# Altium PCB MDK_UltraZohm_Adapter.PcbDoc (continued)
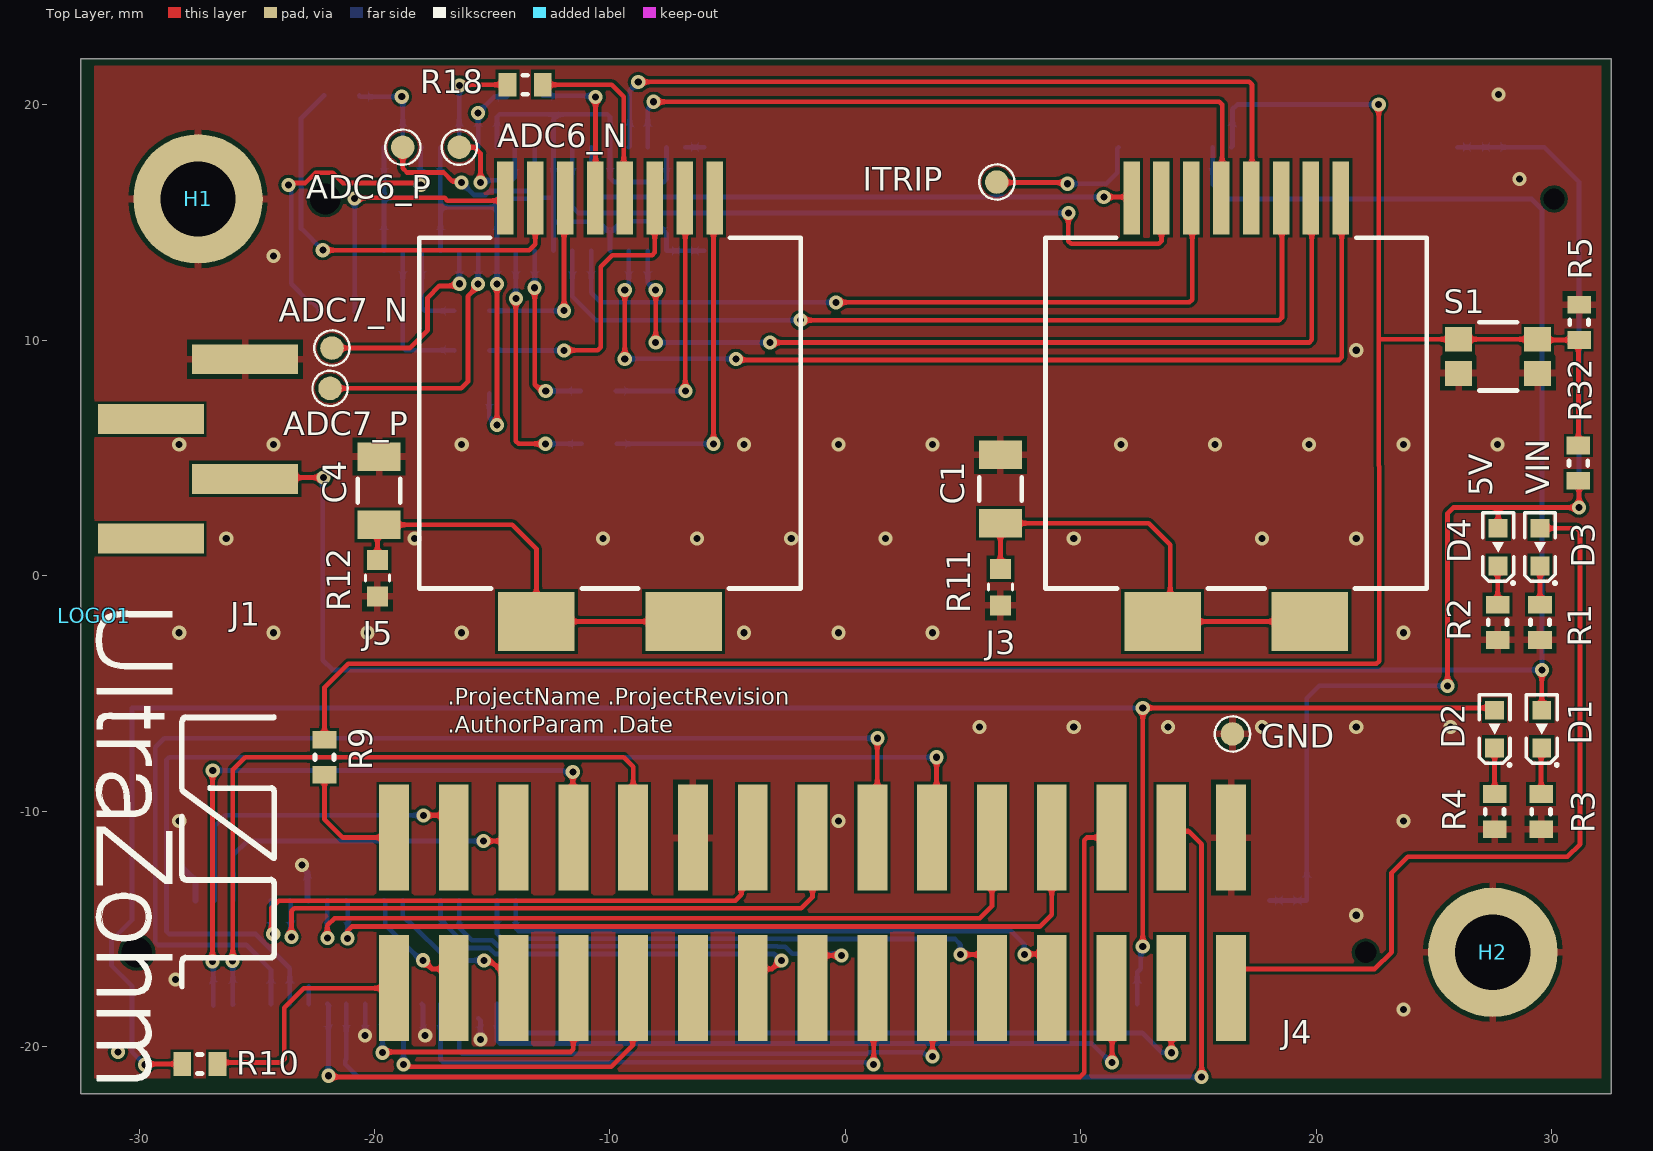
[diagram p0: Top Layer view]
## Footprints (in the part's own frame and the unit in brackets; to place one, negate y for a bottom-side part, rotate by r counter-clockwise, add the part's x,y. Pads: shape width x height; smd on the part's side, far side on the other; paste and mask are expansions set on the pad)
10139085-121422LF [mm]
  rect 2x0.5 smd: 1(2.2,23.6)
  oval 2x0.5 smd: 2(2.2,22.8) 3(2.2,22) 4(2.2,21.2) 5(2.2,20.4) 6(2.2,19.6) 7(2.2,18.8) 8(2.2,18) 9(2.2,17.2) 10(2.2,16.4) 11(2.2,15.6) 12(2.2,14.8) 13(2.2,14) 14(2.2,13.2) 15(2.2,12.4) 16(2.2,11.6) 17(2.2,10.8) 18(2.2,10) 19(2.2,9.2) 20(2.2,8.4) 21(2.2,7.6) 22(2.2,6.8) 23(2.2,6) 24(2.2,5.2) 25(2.2,4.4) 26(2.2,3.6) 27(2.2,2.8) 28(2.2,2) 29(2.2,1.2) 30(2.2,0.4) 31(2.2,-0.4) 32(2.2,-1.2) 33(2.2,-2) 34(2.2,-2.8) 35(2.2,-3.6) 36(2.2,-4.4) 37(2.2,-5.2) 38(2.2,-6) 39(2.2,-6.8) 40(2.2,-7.6) 41(2.2,-8.4) 42(2.2,-9.2) 43(2.2,-10) 44(2.2,-10.8) 45(2.2,-11.6) 46(2.2,-12.4) 47(2.2,-13.2) 48(2.2,-14) 49(2.2,-14.8) 50(2.2,-15.6) 51(2.2,-16.4) 52(2.2,-17.2) 53(2.2,-18) 54(2.2,-18.8) 55(2.2,-19.6) 56(2.2,-20.4) 57(2.2,-21.2) 58(2.2,-22) 59(2.2,-22.8) 60(2.2,-23.6) 61(-2.2,23.6) 62(-2.2,22.8) 63(-2.2,22) 64(-2.2,21.2) 65(-2.2,20.4) 66(-2.2,19.6) 67(-2.2,18.8) 68(-2.2,18) 69(-2.2,17.2) 70(-2.2,16.4) 71(-2.2,15.6) 72(-2.2,14.8) 73(-2.2,14) 74(-2.2,13.2) 75(-2.2,12.4) 76(-2.2,11.6) 77(-2.2,10.8) 78(-2.2,10) 79(-2.2,9.2) 80(-2.2,8.4) 81(-2.2,7.6) 82(-2.2,6.8) 83(-2.2,6) 84(-2.2,5.2) 85(-2.2,4.4) 86(-2.2,3.6) 87(-2.2,2.8) 88(-2.2,2) 89(-2.2,1.2) 90(-2.2,0.4) 91(-2.2,-0.4) 92(-2.2,-1.2) 93(-2.2,-2) 94(-2.2,-2.8) 95(-2.2,-3.6) 96(-2.2,-4.4) 97(-2.2,-5.2) 98(-2.2,-6) 99(-2.2,-6.8) 100(-2.2,-7.6) 101(-2.2,-8.4) 102(-2.2,-9.2) 103(-2.2,-10) 104(-2.2,-10.8) 105(-2.2,-11.6) 106(-2.2,-12.4) 107(-2.2,-13.2) 108(-2.2,-14) 109(-2.2,-14.8) 110(-2.2,-15.6) 111(-2.2,-16.4) 112(-2.2,-17.2) 113(-2.2,-18) 114(-2.2,-18.8) 115(-2.2,-19.6) 116(-2.2,-20.4) 117(-2.2,-21.2) 118(-2.2,-22) 119(-2.2,-22.8) 120(-2.2,-23.6)
  round 0 hole 1.3: ""(0,-26.1)
  round 0 hole 0.9: ""(0,26.1)
  silkscreen extent -3,-26.9 3,26.9, body extent -3,-26.9 3,26.9, height 4.72
434153017835 [mm] "Tact Switch, SMD, body 3.5x2.9mm"
  rect 1.15x1.05 smd: 1(-1.675,0.725) 2(-1.675,-0.725) 3(1.675,0.725) 4(1.675,-0.725)
  silkscreen extent -0.8,-1.45 0.8,1.45, body extent -2.15,-1.45 2.15,1.45, height 1.7
634108185321 [mm] "Modular Jack Vertical Shielded SMT  with Solder Tab 8P8C Top Entry"
  rect 0.7x3.1 smd: 1(-4.445,9.15) 2(-3.175,9.15) 3(-1.905,9.15) 4(-0.635,9.15) 5(0.635,9.15) 6(1.905,9.15) 7(3.175,9.15) 8(4.445,9.15)
  rect 3.25x2.5 smd: Shell(-3.125,-8.85) Shell(3.125,-8.85)
  silkscreen extent -8.1,-7.45 8.1,7.45, body extent -8.16,-9.95 8.16,9.11, height 13.48
C_1206 [mm]
  rect 1.21x1.82 smd: 1(1.45,0) 2(-1.45,0)
  silkscreen extent -0.5,-0.9 0.5,0.9, body extent -1.6,-0.81 1.6,0.81, height 1.82
ID_PROJECTREV [mm] "project name + revision number"
IPL1-104-02-L-S-K [mm]
  rect 1.27x4.5 smd: 1(-3.81,2) 2(-1.27,-2) 3(1.27,2) 4(3.81,-2)
  body extent -5.84,-3.57 5.84,3.75, height 8.13
IPL1-115-02-L-D-K [mm]
  rect 1.27x4.5 smd: 1(-17.78,3.2) 2(-15.24,3.2) 3(-12.7,3.2) 4(-10.16,3.2) 5(-7.62,3.2) 6(-5.08,3.2) 7(-2.54,3.2) 8(0,3.2) 9(2.54,3.2) 10(5.08,3.2) 11(7.62,3.2) 12(10.16,3.2) 13(12.7,3.2) 14(15.24,3.2) 15(17.78,3.2) 16(-17.78,-3.2) 17(-15.24,-3.2) 18(-12.7,-3.2) 19(-10.16,-3.2) 20(-7.62,-3.2) 21(-5.08,-3.2) 22(-2.54,-3.2) 23(0,-3.2) 24(2.54,-3.2) 25(5.08,-3.2) 26(7.62,-3.2) 27(10.16,-3.2) 28(12.7,-3.2) 29(15.24,-3.2) 30(17.78,-3.2)
  body extent -19.81,-4.79 19.81,4.79, height 8.13
MHole3_2mm_No_Screw [mm]
  round 5.5 hole 3.2: 1(0,0)
RESC0603 [mm] "Chip Resistor, 2-Leads, Body 1,60x0,85mm, IPC Medium Density"
  rect 0.75x1 smd: 1(-0.75,0) 2(0.75,0)
  silkscreen extent -0.1,-0.4 0.1,0.4, body extent -0.85,-0.48 0.85,0.48, height 0.55
RESC1608X06N [mm] "Chip Resistor, 2-Leads, Body 1,60x0,80mm, IPC Medium Density"
  rect 0.85x0.9 smd: 1(-0.775,0) 2(0.775,0)
  silkscreen extent -0.13,-0.51 0.13,0.51, body extent -0.8,-0.4 0.8,0.4, height 0.44
TP_1mm [mm]
  round 1 smd paste-1: 1(0,0)
  silkscreen extent -0.75,-0.75 0.75,0.75
UZ_Logo_tiny [mm] "logo width 2cm"
  silkscreen extent -0.2,0.06 19.75,7.74
WL-SMCW_0603 [mm] "SMD Mono-color Chip LED, body 1.6x0.8mm"
  rect 0.8x0.8 smd: 1(-0.8,0) 2(0.8,0)
  silkscreen extent -1.59,-0.7 1.45,0.65, body extent -0.8,-0.4 0.8,0.4, height 0.7

## Part data
ADC6_N ADC6_P ADC7_N ADC7_P GND ITRIP: library part TP_1mm, "Testpoint 1mm", Created=2018_06_25_AGeiger
C1 C4: "Capacitor 1206", Dielectric=C0G, MPN=885342008009, Package=1206, Supplier Part Number 1=710-885342008009, Tolerance=5%, Voltage=1000V, Created=2018_06_25_AGeiger, MF="Würth Elektronik", Supplier 1=Mouser
D1 D2 D3 D4: library part LED_Red_0603, "WL-SMCW SMD Mono-color Chip LED Waterclear, size 0603, Red, 2 V, 140°", Emitting Color=Red, Forward Voltage="2 V", Package=0603, Supplier Part Number 1=2322071, ComponentLink1Description=Manufacturer, ComponentLink1URL=http://www.we-online.de, ComponentLink2Description=Datasheet, ComponentLink2URL=http://katalog.we-online.com/led/datasheet/150060RS75000.pdf, Created=2018_09_06_AGeiger, Dominant Wavelength="625 nm", Luminous Intensity="250 mcd", MF="Wuerth Elektronik", MPN=150060RS75000, Peak Wavelength="630 nm", Published Date="Sep. 2017", Size=0603, Supplier 1=Farnell, Supplier 2=Mouser, Supplier 3=Digi-Key, Supplier Part Number 2=710-150060RS75000, Supplier Part Number 3=732-4978-1-ND, Viewing Angle=140°
H1 H2: library part MHole, AN=22898, Mixed=THT
J3 J5: "WR-MJ Modular Jack SMT Vertical Shielded with Solder Tab 8P8C Top Entry", Contact Resistance=30mOhm, Insulation Resistance=1000MOhm, Manufacturer="Wurth Elektronik", Operating Temperature="-40 to +85degC", Rated Current=1.5A, Withstanding Voltage=1000VAC, Working Voltage=125VAC, ComponentLink1Description=Manufacturer, ComponentLink1URL=http://www.we-online.de, ComponentLink2Description=Datasheet, ComponentLink2URL=https://katalog.we-online.com/em/datasheet/634108185321.pdf, Manufacturer Part Number=634108185321, Mounting Technology=SMT, Packaging="Tape and Reel", Published Date="September 2020", Type=Vertical, xPxC=8P8C
J4: library part IPL1-115-01-XX-D-RA, "Terminal Assembly, Double Row, Right Angle, Thru-Hole, 0.100\" x 0.100\" Pitch, 30 Pins.", MPN=IPL1-115-01-L-D-RA-K, Supplier Part Number 1=SAM9611-ND, ComponentLink1Description=Datasheet, ComponentLink1URL=http://suddendocs.samtec.com/catalog_english/ipl1.pdf, Created=2019-12-17_Wendy_Xin, HelpURL=https://www.samtec.com/products/ipl1, MF=SAMTEC, Package=IPL1-115-02-L-D-K, Supplier 1=Digi-Key, Supplier 2=Farnell, Supplier 3=Mouser, Supplier Part Number 2=2018467, Supplier Part Number 3=200-IPL111501LDRAK
JP1 JP2: "Bergstack+ 0.8mm pich - 120pin B2B connector", ComponentLink1Description=Webpage, ComponentLink1URL=https://www.amphenol-icc.com/product-series/bergstak-plus-080mm-mezzanine.html, ComponentLink2Description=Datasheet, ComponentLink2URL=https://cdn.amphenol-icc.com/media/wysiwyg/files/documentation/datasheet/boardwiretoboard/bwb_bergstakplus_080mm_mezzanine.pdf, ComponentLink3Description="Component Drawing", ComponentLink3URL=https://cdn.amphenol-icc.com/media/wysiwyg/files/drawing/10139085.pdf, Part Number=10139085-121422LF, Publisher="Amphenol ICC"
LOGO1: "UltraZohm Logo on PCB", Created=Jan2021_Liegmann
ProjectName1: "Project Name and Revision Number", Created=2018_11_23_AGeiger
R1 R2 R3 R4 R5 R9 R10 R14 R15 R16 R17 R18 R19 R20 R21 R32: library part RES_SMD, "RES SMD", Part Number="Generic 1% tol.", Publisher=Generic
R11 R12 R22: library part R_0603, MPN=CRCW06031M00FKEAC, Package=0603, Supplier Part Number 1=71-CRCW06031M00FKEAC, Tolerance=1%, MF="Vishay / Dale", Supplier 1=mouser
S1: "WS-TASV J-Bend SMT Tact Switch 3.5x2.9mm, height 1.7mm, 350gf", Operating Temperature="-40 to +85degC", Rated Current=50mA, Rated Voltage=12VDC, ComponentLink1Description=Manufacturer, ComponentLink1URL=http://www.we-online.de, ComponentLink2Description=Datasheet, ComponentLink2URL=https://katalog.we-online.com/em/datasheet/434153017835.pdf, Contact Material="Stainless Steel", Contact Plating=Silver, Height=1.7mm, Mounting Technology=SMT, Operation Force=350gf, Packaging="Tape and Reel", Part Number=434153017835, Published Date="September 2019", Publisher="Wurth Elektronik", Terminal Material="Copper Alloy", Terminal Plating=Silver, Washable=No
J1: URL=https://www.samtec.com/products/ipl1-104-02-l-s-k#models

## Via types
v1: diameter 0.6, hole 0.3, Top Layer to Bottom Layer, tented both sides, 118 vias

## Nets (pads, with @x,y where several pads share a name; then routed paths per layer and width w, separated by ;. In a path a pad name is that pad's centre, name@x,y a point inside that pad or via, vN(x,y) a via of type N, cw(c..) or ccw(c..) an arc to the next point about the centre after c; other vN are vias at no path point)
5V0: D4.2 JP1.1 JP1.2 JP1.3 JP2.1 JP2.2 JP2.3 R32.2 | length 51
  Top Layer w0.2: v1(25.579,-4.683) 25.579,2.646 25.826,2.893 27.726,2.893 ; D4.2 27.726,2.893 ; R32.2 31.164,3.999 v1(31.164,2.893) 27.726,2.893
  Bottom Layer w0.2: JP2.3 JP2.2 JP2.1 19.6,-5.209 20.126,-4.683 v1(25.579,-4.683) ; JP1.3 JP1.2 JP1.1 29.681,18.2 31.164,16.717 v1(31.164,2.893)
5V0_VAA: JP1.43 JP1.44 | length 0.8
  Bottom Layer w0.2: JP1.44 JP1.43
15V: J4.10
ADC1_N: J3.8 JP1.107 | length 42
  Top Layer w0.2: v1(-9.372,9.208) v1(-9.372,12.135) ; v1(-4.654,9.208) -4.606,9.16 20.965,9.16 21.082,9.277 J3.8@21.082,16.084
  Bottom Layer w0.2: v1(-9.372,9.208) v1(-4.654,9.208) ; v1(-9.372,12.135) -9.417,12.179 -9.417,12.183 -9.2,12.4 JP1.107
ADC1_P: J3.7 JP1.106 | length 38
  Top Layer w0.2: v1(-8.059,9.9) v1(-8.059,12.135) ; v1(-3.2,9.9) 19.695,9.9 19.812,10.017 J3.7@19.812,16.084
  Bottom Layer w0.2: JP1.106 -8.4,12.452 -8.083,12.135 v1(-8.059,12.135) ; v1(-8.059,9.9) v1(-3.2,9.9)
ADC2_N: J3.5 JP1.47 | length 33.8
  Top Layer w0.2: v1(-8.8,20.964) -8.791,20.974 17.155,20.974 17.272,20.857 J3.5@17.272,16.084
  Bottom Layer w0.2: JP1.47 -9.158,18.242 -9.158,20.616 -8.809,20.964 v1(-8.8,20.964)
ADC2_P: J3.4 JP1.46 | length 30.2
  Top Layer w0.2: v1(-8.145,20.129) 15.885,20.129 16.002,20.012 16.002,16.569 J3.4@16.002,16.084
  Bottom Layer w0.2: JP1.46 -8.4,19.812 -8.145,20.067 v1(-8.145,20.129)
ADC3_N: J3.6 JP1.110 | length 37.9
  Top Layer w0.2: v1@-1.7,10.871 -1.9,10.871 -1.881,10.852 -1.7,10.852 18.425,10.852 18.542,10.969 J3.6@18.542,16.084
  Bottom Layer w0.2: JP1.110 -11.6,11.857 -10.595,10.852 v1(-1.9,10.852)
ADC3_P: J3.3 JP1.109 | length 31.9
  Top Layer w0.2: v1@-0.4,11.633 -0.375,11.608 14.615,11.608 14.732,11.725 J3.3@14.732,16.084
  Bottom Layer w0.2: JP1.109 -10.8,12.021 -10.387,11.608 v1(-0.4,11.608)
ADC4_N: J3.2 JP1.50 | length 31.5
  Top Layer w0.2: v1(9.472,15.4) 9.472,14.21 9.589,14.093 13.31,14.093 13.427,14.21 13.427,16.048 J3.2
  Bottom Layer w0.2: JP1.50@-11.6,18.869 -11.6,15.662 -11.342,15.404 9.468,15.404 v1(9.472,15.4)
ADC4_P: J3.1 JP1.49 | length 25
  Top Layer w0.2: v1(10.976,16.084) 12.121,16.084 J3.1
  Bottom Layer w0.2: JP1.49 -10.8,16.201 -10.683,16.084 v1(10.976,16.084)
ADC5_N: JP1.113 R21.1 | length 11.1
  Top Layer w0.2: v1(-14,11.776) -14,5.717 -13.883,5.6 -12.972,5.6 v1(-12.747,5.6)
  Bottom Layer w0.2: v1@-14,11.576 v1(-14,11.776) JP1.113 ; v1(-12.747,5.6) R21.1
ADC5_P: JP1.112 R20.1 | length 8
  Top Layer w0.2: v1(-13.2,12.228) -13.2,8.118 -12.928,7.846 v1(-12.729,7.846)
  Bottom Layer w0.2: v1@-13.2,11.971 JP1.112 ; v1(-12.729,7.846) R20.1
ADC6_N: ADC6_N.1 JP1.53 | length 5.1
  Top Layer w0.2: ADC6_N.1 -15.761,18.2 -15.492,17.931 -15.5,17.923 v1(-15.5,16.7)
  Bottom Layer w0.2: v1@-15.51,16.795 -14.164,16.795 -14.046,16.912 -14.046,18.154 JP1.53
ADC6_P: ADC6_P.1 JP1.52 | length 8.8
  Top Layer w0.2: ADC6_P.1 -18.8,17.302 -18.623,17.125 -17.069,17.125 -16.701,16.756 -16.365,16.756 v1(-16.308,16.7)
  Bottom Layer w0.2: v1(-16.308,16.7) -15.781,16.173 -15.282,16.173 -15.115,16.339 -13.317,16.339 -13.2,16.457 JP1.52
ADC7_N: ADC7_N.1 JP1.116 | length 8.7
  Top Layer w0.2: ADC7_N.1 -18.506,9.669 -17.75,10.424 -17.75,11.804 -17.247,12.308 -16.492,12.308 v1(-16.4,12.4)
  Bottom Layer w0.2: v1(-16.4,12.4) JP1.116
ADC7_P: ADC7_P.1 JP1.115 | length 11.7
  Top Layer w0.2: ADC7_P.1 -16.321,7.954 -16.035,8.241 -16.035,11.867 -15.6,12.302 v1(-15.6,12.395)
  Bottom Layer w0.2: v1(-15.6,12.395) JP1.115
ADC8_N: JP1.56 R18.1 | length 4.7
  Top Layer w0.2: v1(-16.4,20.828) -16.374,20.854 R18.1
  Bottom Layer w0.2: JP1.56 v1(-16.4,20.828)
ADC8_P: JP1.55 R17.1 | length 3
  Bottom Layer w0.2: JP1.55 -15.6,19.659 -14.924,20.336 -14.396,20.336 R17.1
  other v1: -15.6,19.647
ADC9_N: JP1.119 R19.1 | length 6.3
  Bottom Layer w0.2: JP1.119 -18.8,9.696 -18.683,9.579 -16.634,9.579 R19.1
ADC9_P: JP1.118 R16.1 | length 3.9
  Bottom Layer w0.2: JP1.118 -18,11.375 -17.874,11.249 R16.1
ADC10_N: JP1.59 R15.1 | length 3.7
  Bottom Layer w0.2: R15.1 -20.602,20.345 v1(-18.847,20.345) ; JP1.59 v1@-18.8,20.088
ADC10_P: JP1.58 R14.1 | length 13.6
  Top Layer w0.2: v1(-23.65,16.6) -23.573,16.677 -23.335,16.677 -23.333,16.679 -22.942,16.679 -22.508,17.114 -21.781,17.114 -21.347,16.679 -18.119,16.679 -18.06,16.62 v1(-18.038,16.598)
  Bottom Layer w0.2: v1(-23.65,16.6) -23.54,16.49 -23.54,16.284 -23.539,16.283 -23.539,12.396 -22.765,11.623 -22.64,11.623 -22.365,11.348 R14.1 ; v1(-18.038,16.598) -18.038,18.162 JP1.58
AGND: JP1.45 JP1.48 JP1.51 JP1.54 JP1.57 JP1.60 JP1.103 JP1.104 JP1.105 JP1.108 JP1.111 JP1.114 JP1.117 JP1.120 R22.2 | length 54.2
  Top Layer w0.2: v1(-14.8,6.4) v1(-14.8,12.395)
  Bottom Layer w0.2: JP1.120 -19.6,16.05 ; JP1.60 -19.6,16.05 ; JP1.117 -17.2,15.654 ; JP1.57 -17.214,18.186 -17.214,16.064 -17.2,16.05 ; R22.2 -15.133,6.733 v1(-14.8,6.4) ; v1@-14.8,12.443 JP1.114 -14.8,15.654 ; JP1.54 -14.8,19.486 -14.683,19.603 -12.181,19.603 ; JP1.111 -12.4,14.905 ; JP1.108 JP1.108@-10,14.55 ; JP1.45 -7.6,16.837 -7.717,16.72 -9.814,16.72 -10,16.906 JP1.48 -10,19.486 -10.117,19.603 -12.181,19.603 ; JP1.103 JP1.104 JP1.105 -7.6,14.55 -8.102,15.052 -9.498,15.052 JP1.108@-10,14.55 ; -19.6,16.05 -17.2,16.05 ; -17.2,15.654 -14.8,15.654 ; -17.2,15.654 -17.2,16.05 ; -14.8,15.654 -14.8,16.012 -13.065,16.012 -13.027,16.05 -12.443,16.05 -12.4,16.007 ; -12.4,14.905 -12.4,16.007 ; -12.4,14.905 -12.278,15.027 -10.477,15.027 JP1.108@-10,14.55 ; -12.4,16.007 JP1.51 -12.4,19.384 -12.181,19.603
B13_L1_N: JP2.79
B13_L1_P: JP2.78
B13_L2_N: JP2.96
B13_L2_P: JP2.95
B13_L3_N: JP2.91
B13_L3_P: JP2.90
B13_L4_N: JP2.89
B13_L4_P: JP2.88
B13_L5_N: JP2.74
B13_L5_P: JP2.73
B13_L6_N: JP2.76
B13_L6_P: JP2.75
B13_L7_N: JP2.14
B13_L7_P: JP2.13
B13_L8_N: JP2.16
B13_L8_P: JP2.15
B13_L9_N: JP2.21
B13_L9_P: JP2.20
B13_L10_N: JP2.94
B13_L10_P: JP2.93
B13_L11_N: JP2.19
B13_L11_P: JP2.18
B13_L12_N: JP2.81
B13_L12_P: JP2.80
B13_L13_N: JP2.86
B13_L13_P: JP2.85
B13_L14_N: JP2.84
B13_L14_P: JP2.83
B13_L15_N: JP2.34
B13_L15_P: JP2.33
B13_L16_N: JP2.29
B13_L16_P: JP2.28
B13_L17_N: JP2.26
B13_L17_P: JP2.25
B13_L18_N: JP2.31
B13_L18_P: JP2.30
B13_L19_N: JP2.39
B13_L19_P: JP2.38
B13_L20_N: JP2.24
B13_L20_P: JP2.23
B13_L21_N: JP2.36
B13_L21_P: JP2.35
B13_L22_N: JP2.41
B13_L22_P: JP2.40
B13_L23_N: JP2.99
B13_L23_P: JP2.98
B13_L24_N: JP2.101
B13_L24_P: JP2.100
B35_L1_N: JP1.100
B35_L1_P: JP1.101
B35_L2_N: JP1.80
B35_L2_P: JP1.81
B35_L3_N: JP1.95
B35_L3_P: JP1.96
B35_L4_N: JP1.33
B35_L4_P: JP1.34
B35_L5_N: JP1.93
B35_L5_P: JP1.94
B35_L6_N: JP1.98
B35_L6_P: JP1.99
B35_L7_N: JP1.78
B35_L7_P: JP1.79
B35_L8_N: JP1.83
B35_L8_P: JP1.84
B35_L9_N: JP1.75
B35_L9_P: JP1.76
B35_L10_N: JP1.73
B35_L10_P: JP1.74
B35_L11_N: JP1.88
B35_L11_P: JP1.89
B35_L12_N: JP1.35
B35_L12_P: JP1.36
B35_L13_N: JP1.28
B35_L13_P: JP1.29
B35_L14_N: JP1.30
B35_L14_P: JP1.31
B35_L15_N: JP1.20
B35_L16_N: JP1.13
B35_L16_P: JP1.14
B35_L17_N: JP1.25
B35_L17_P: JP1.26
B35_L18_N: JP1.18
B35_L18_P: JP1.19
B35_L19_N: JP1.40
B35_L19_P: JP1.41
B35_L20_N: JP1.38
B35_L20_P: JP1.39
B35_L21_N: JP1.85
B35_L21_P: JP1.86
B35_L22_N: JP1.23
B35_L22_P: JP1.24
B35_L23_N: JP1.90
B35_L23_P: JP1.91
DISABLE: JP1.15 R5.2 R9.2 R32.1 S1.1 S1.3 | length 91.9
  Top Layer w0.2: R9.2 -22.128,-4.753 -21.124,-3.748 -19.499,-3.748 22.559,-3.748 22.676,-3.631 22.676,4.642 22.653,4.665 22.653,10.017 ; v1(22.653,20.012) 22.653,10.017 ; R32.1 R5.2@31.137,9.871 ; R5.2 29.431,10.01 S1.3 S1.1 22.676,10.04 22.653,10.017
  Bottom Layer w0.2: JP1.15 16.442,18.242 16.442,19.807 16.648,20.012 v1(22.653,20.012)
DISABLE1: J4.30 R9.1 | length 5.2
  Top Layer w0.2: R9.1 -22.128,-10.354 -21.357,-11.125 J4.30
FAULT: D1.2 J1.2 JP1.16 | length 100.4
  Top Layer w0.2: J1.2 -25.445,4.166 v1(-22.175,4.166) ; D1.2 29.582,-4.016 v1(29.593,-4.005)
  Bottom Layer w0.2: v1(-22.175,4.166) -22.205,4.135 -22.205,-3.584 -21.784,-4.005 v1(29.593,-4.005) 29.593,15.55 29.143,16 16.215,16 15.6,16.615 JP1.16
GND: C1.1 C4.1 GND.1 H1.1 H2.1 J1.4 J4.16 J4.25 JP1.9 JP1.12 JP1.17 JP1.22 JP1.27 JP1.32 JP1.37 JP1.42 JP1.61 JP1.62 JP1.63 JP1.66 JP1.69 JP1.72 JP1.77 JP1.82 JP1.87 JP1.92 JP1.97 JP1.102 JP2.6 JP2.9 JP2.12 JP2.17 JP2.22 JP2.27 JP2.32 JP2.37 JP2.42 JP2.45 JP2.48 JP2.51 JP2.54 JP2.57 JP2.60 JP2.61 JP2.62 JP2.63 JP2.69 JP2.72 JP2.77 JP2.82 JP2.87 JP2.92 JP2.97 JP2.102 JP2.105 JP2.108 JP2.111 JP2.114 JP2.117 JP2.120 R1.1 R2.1 R3.1 R4.1 R5.1 R11.1 R12.1 R22.1 S1.2 S1.4 | length 7.8
  Bottom Layer w0.2: v1(-28.455,-17.151) v1@-28.421,-17.151 ; JP2.114 JP2.114@-22.8,-17.45 ; v1(-20.4,-19.542) JP2.111 ; JP2.108 -17.943,-18.257 -17.943,-19.341 -17.85,-19.434 v1(-17.85,-19.542) ; JP2.105@-15.6,-18.8 -15.5,-18.9 v1(-15.5,-19.7)
  Bottom Layer w0.25: -28.17,-12.325 -28.17,-12.412 -27.6,-12.982 JP2.60 ; v1(-23.085,-12.287) -23.085,-12.381 -22.848,-12.619 -22.848,-13.752 JP2.54
  other v1: 23.7,-18.425 21.7,-14.425 -28.3,-10.425 -0.3,-10.425 23.7,-10.425 5.7,-6.425 9.7,-6.425 13.7,-6.425 17.7,-6.425 21.7,-6.425 25.7,-6.425 -28.3,-2.425 -24.3,-2.425 -20.3,-2.425 -16.3,-2.425 -4.3,-2.425 -0.3,-2.425 3.7,-2.425 23.7,-2.425 -26.3,1.575 -18.3,1.575 -10.3,1.575 -6.3,1.575 -2.3,1.575 1.7,1.575 9.7,1.575 17.7,1.575 21.7,1.575 -28.3,5.575 -24.3,5.575 -16.3,5.575 -4.3,5.575 -0.3,5.575 3.7,5.575 11.7,5.575 15.7,5.575 19.7,5.575 23.7,5.575 27.7,5.575 21.7,9.575 -24.3,13.575 28.64,16.846 27.74,20.446
ITRIP: ITRIP.1 JP1.21 | length 6.4
  Top Layer w0.2: ITRIP.1@6.462,16.533 6.627,16.698 v1@9.425,16.698
  Bottom Layer w0.2: v1(9.43,16.647) 11.075,16.647 11.55,17.122 11.55,18.15 JP1.21
JTAG_TCK: JP2.8
JTAG_TDI: JP2.11
JTAG_TDO: JP2.10
JTAG_TMS: JP2.7
JTAG_VCC: JP2.5
NetC1_2: C1.2 J3.Shell R11.2 | length 19.2
  Top Layer w0.2: R11.2 C1.2 ; C1.2 12.88,2.226 13.797,1.309 13.797,-1.628 13.475,-1.95 J3.Shell@19.725,-1.95
NetC4_2: C4.2 J5.Shell R12.2 | length 21.3
  Top Layer w0.2: R12.2 -19.88,2.09 C4.2 -14.146,2.16 -13.125,1.139 ; J5.Shell@-13.125,-2.207 J5.Shell@-13.125,-1.95 ; J5.Shell@-6.875,-1.95 J5.Shell@-13.125,-1.95 ; J5.Shell@-13.125,-1.95 -13.125,1.139 ; J5.Shell@-13.125,-1.95 -13.125,1.139
NetD1_1: D1.1 R3.2 | length 2
  Top Layer w0.2: R3.2 29.552,-7.346 D1.1
NetD2_1: D2.1 R4.2 | length 2
  Top Layer w0.2: R4.2 D2.1
NetD3_1: D3.1 R1.2 | length 1.6
  Top Layer w0.2: R1.2 D3.1
NetD4_1: D4.1 R2.2 | length 1.6
  Top Layer w0.2: R2.2 27.706,0.39 D4.1
NetJ5_1: J5.1 R14.2 | length 11.3
  Top Layer w0.2: v1(-20.847,16.025) -20.822,16.05 -17.026,16.05 -16.906,15.93 -14.565,15.93 J5.1
  Bottom Layer w0.2: R14.2 -20.847,11.241 v1(-20.847,16.025)
NetJ5_2: J5.2 R15.2 | length 18.5
  Top Layer w0.2: v1(-22.2,13.825) -13.425,13.825 -13.175,14.075 J5.2
  Bottom Layer w0.2: v1(-22.2,13.825) -23.123,14.748 -23.123,16.271 -23.102,16.292 -23.102,16.48 -23.123,16.501 -23.123,19.42 R15.2
NetJ5_3: J5.3 R16.2 | length 8
  Top Layer w0.2: v1(-11.952,11.254) -11.952,16.003 J5.3
  Bottom Layer w0.2: R16.2 -11.956,11.249 v1(-11.952,11.254) v1@-11.947,11.259
NetJ5_4: J5.4 R17.2 | length 6.3
  Top Layer w0.2: J5.4 -10.613,16.072 v1@-10.613,20.104
  Bottom Layer w0.2: R17.2 -10.665,20.379 v1(-10.613,20.327)
NetJ5_5: J5.5 R18.2 | length 8
  Top Layer w0.2: R18.2 -9.924,20.854 -9.417,20.346 -9.417,16.102 J5.5
NetJ5_6: J5.6 R19.2 | length 13.1
  Top Layer w0.2: v1(-11.947,9.567) -11.935,9.579 -10.516,9.579 -10.399,9.696 -10.399,13.119 -9.907,13.611 -8.212,13.611 -8.095,13.728 J5.6
  Bottom Layer w0.2: R19.2 v1(-11.947,9.567)
NetJ5_7: J5.7 R20.2 | length 11.2
  Top Layer w0.2: J5.7 -6.8,16.025 v1(-6.8,7.846)
  Bottom Layer w0.2: R20.2 v1(-6.8,7.846)
NetJ5_8: J5.8 R21.2 | length 14.6
  Top Layer w0.2: v1(-5.602,5.6) -5.602,16.003 J5.8
  Bottom Layer w0.2: R21.2 v1(-5.602,5.6) v1@-5.555,5.553
PHY_COM: JP1.6
PHY_MDI0_N: JP1.4
PHY_MDI0_P: JP1.5
PHY_MDI1_N: JP1.8
PHY_MDI1_P: JP1.7
PHY_MDI2_N: JP1.67
PHY_MDI2_P: JP1.68
PHY_MDI3_N: JP1.64
PHY_MDI3_P: JP1.65
POWER_OK: D2.2 JP2.70 R10.1 | length 88.5
  Top Layer w0.2: v1(-29.757,-20.776) -29.757,-20.653 -29.686,-20.581 -29.522,-20.745 R10.1 ; v1(12.631,-15.761) v1(12.631,-5.62) 27.481,-5.62 D2.2
  Bottom Layer w0.2: v1(-29.757,-20.776) -30.244,-20.289 -30.303,-20.23 -30.303,-17.45 -31.176,-16.577 -31.176,-15.499 -30.303,-14.626 -30.303,-5.62 v1(12.631,-5.62) ; JP2.70 12.4,-16.841 12.547,-16.694 12.547,-15.845 v1(12.631,-15.761)
POWER_OK1: J4.15 R10.2 | length 10.1
  Top Layer w0.2: R10.2@-26.673,-20.68 -23.964,-20.68 -23.83,-20.546 -23.83,-20.381 -23.841,-20.369 -23.841,-18.357 -23.01,-17.525 J4.15
PWM0_H: J4.2 JP2.103 | length 32
  Top Layer w0.2: J4.2 13.845,-17.527 13.845,-20.241 v1@13.869,-20.266
  Bottom Layer w0.2: JP2.103 -13.943,-18.257 -13.943,-19.164 -13.68,-19.427 12.598,-19.427 12.602,-19.423 13.433,-20.254 13.858,-20.254 v1@13.869,-20.266
  other v1: 13.851,-20.266
PWM0_L: J4.3 JP2.104 | length 31.2
  Top Layer w0.2: J4.3 11.328,-17.55 v1(11.328,-20.68)
  Bottom Layer w0.2: JP2.104 -14.8,-19.757 -14.683,-19.874 10.462,-19.874 11.267,-20.68 v1(11.328,-20.68)
PWM1_H: J4.4 JP2.43 | length 25.8
  Top Layer w0.2: v1(7.6,-16.097) 7.624,-16.072 8.228,-16.072 8.763,-16.607 J4.4
  Bottom Layer w0.2: JP2.43 -14,-14.974 -13.883,-15.091 -2.581,-15.091 -2.564,-15.108 7.047,-15.108 7.593,-15.655 7.593,-16.09 v1(7.6,-16.097)
PWM1_L: J4.5 JP2.44 | length 24.2
  Top Layer w0.2: v1(4.886,-16.097) 5.688,-16.097 6.223,-16.632 J4.5
  Bottom Layer w0.2: JP2.44 -14.8,-15.207 -14.589,-15.418 -2.716,-15.418 -2.7,-15.435 4.656,-15.435 4.877,-15.657 4.877,-16.088 v1(4.886,-16.097)
PWM2_H: J4.6 JP2.106 | length 25.2
  Top Layer w0.2: J4.6 3.7,-17.542 v1(3.7,-20.432)
  Bottom Layer w0.2: JP2.106 -16.4,-20.188 -16.283,-20.305 0.921,-20.305 0.982,-20.244 3.277,-20.244 3.388,-20.356 3.623,-20.356 v1(3.7,-20.432)
PWM2_L: J4.7 JP2.107 | length 24.1
  Top Layer w0.2: J4.7 1.2,-17.582 v1(1.2,-20.771)
  Bottom Layer w0.2: JP2.107 -17.2,-20.551 -17.083,-20.668 0.854,-20.668 0.996,-20.81 1.162,-20.81 v1(1.2,-20.771)
PWM3_H: J4.8 JP2.46 | length 20.2
  Top Layer w0.2: J4.8 -1.397,-16.672 -0.862,-16.137 v1(-0.164,-16.137)
  Bottom Layer w0.2: JP2.46 -16.4,-14.963 -15.871,-15.492 -14.996,-15.492 -14.743,-15.745 -2.892,-15.745 -2.875,-15.762 -2.552,-15.762 -2.253,-16.061 -0.241,-16.061 v1(-0.164,-16.137)
PWM3_L: J4.9 JP2.47 | length 17.9
  Top Layer w0.2: J4.9 -3.937,-17.242 -3.402,-16.707 -3.119,-16.707 -2.761,-16.349 v1(-2.71,-16.349)
  Bottom Layer w0.2: JP2.47 -17.2,-14.626 -16.007,-15.819 -15.132,-15.819 -14.879,-16.072 -3.028,-16.072 -2.751,-16.349 v1(-2.71,-16.349)
PWM4_H: J4.11 JP2.109 | length 15.2
  Top Layer w0.2: v1(-18.773,-20.771) -18.696,-20.848 -18.472,-20.848 -18.456,-20.864 -9.942,-20.864 -9.036,-19.958 -9.036,-17.544 J4.11
  Bottom Layer w0.2: JP2.109 -18.773,-18.227 v1(-18.773,-20.771)
PWM4_L: J4.12 JP2.110 | length 12.9
  Top Layer w0.2: v1(-19.665,-20.265) -19.631,-20.231 -11.674,-20.231 -11.557,-20.114 J4.12
  Bottom Layer w0.2: v1(-19.665,-20.265) -19.665,-18.357 -19.554,-18.246 JP2.110
PWM5_H: J4.13 JP2.49 | length 6.7
  Top Layer w0.2: v1(-15.35,-16.346) -15.088,-16.346 -14.097,-17.337 J4.13
  Bottom Layer w0.2: JP2.49 -18.8,-14.469 -18.593,-14.676 -18.548,-14.676 -16.878,-16.346 v1(-15.35,-16.346)
PWM5_L: J4.14 JP2.50 | length 5.2
  Top Layer w0.2: v1(-17.938,-16.339) -17.572,-16.705 -17.457,-16.705 -17.455,-16.707 -17.172,-16.707 -16.637,-17.242 J4.14
  Bottom Layer w0.2: JP2.50 -19.543,-13.857 -19.543,-14.84 -18.043,-16.339 v1(-17.938,-16.339)
PWM6_H: J4.17 JP2.112 | length 50.7
  Top Layer w0.2: J4.17 14.108,-10.86 14.583,-10.86 15.129,-11.406 v1(15.129,-21.298)
  Bottom Layer w0.2: JP2.112 -21.2,-20.543 -21.242,-20.585 -21.242,-20.751 -20.694,-21.298 v1(15.129,-21.298)
PWM6_L: J4.18 JP2.113 | length 46.4
  Top Layer w0.2: v1(-21.962,-21.245) -21.736,-21.245 -21.683,-21.298 9.964,-21.298 10.143,-21.119 10.143,-11.242 10.26,-11.125 J4.18
  Bottom Layer w0.2: v1@-22,-21.207 v1(-21.962,-21.245) -21.962,-18.315 -21.923,-18.277 JP2.113
PWM7_H: J4.19 JP2.52 | length 35.4
  Top Layer w0.2: v1(-21.147,-15.406) -21.147,-15.087 -20.965,-14.905 8.253,-14.905 8.763,-14.395 J4.19
  Bottom Layer w0.2: JP2.52 -21.143,-13.857 -21.143,-15.401 v1(-21.147,-15.406)
PWM7_L: J4.20 JP2.53 | length 33.4
  Top Layer w0.2: v1@-22.008,-15.169 -22.008,-14.86 -21.7,-14.552 5.716,-14.552 6.223,-14.045 J4.20
  Bottom Layer w0.2: v1(-22.006,-15.4) -22.006,-13.806 JP2.53
PWM8_H: J4.21 JP2.115 | length 50.9
  Top Layer w0.2: J4.21 3.872,-10.936 v1(3.872,-7.715)
  Bottom Layer w0.2: JP2.115 -23.6,-16.674 -25.049,-15.225 -28.726,-15.225 -28.843,-15.108 -28.843,-7.832 -28.726,-7.715 v1(3.872,-7.715)
PWM8_L: J4.22 JP2.116 | length 50.3
  Top Layer w0.2: J4.22 1.356,-10.912 v1(1.356,-6.908)
  Bottom Layer w0.2: JP2.116 -24.4,-16.735 -25.447,-15.689 -29.206,-15.689 -29.323,-15.572 -29.323,-7.294 -28.937,-6.908 v1(1.356,-6.908)
PWM9_H: J4.23 JP2.55 | length 27.6
  Top Layer w0.2: v1(-23.534,-15.351) -23.534,-14.251 -23.416,-14.134 -1.881,-14.134 -1.397,-13.65 J4.23
  Bottom Layer w0.2: JP2.55 -23.567,-13.833 -23.567,-15.318 v1(-23.534,-15.351)
PWM9_L: J4.24 JP2.56 | length 25.4
  Top Layer w0.2: v1(-24.303,-15.225) -24.378,-15.151 -24.378,-14.109 -24.076,-13.807 -4.673,-13.807 -4.419,-13.553 -4.419,-11.607 J4.24
  Bottom Layer w0.2: JP2.56 -24.378,-13.822 -24.378,-15.151 v1(-24.303,-15.225)
PWM10_H: J4.26 JP2.118 | length 30.4
  Top Layer w0.2: v1@-26.023,-16.378 -26.023,-8.237 -25.5,-7.715 -9.426,-7.715 -9.017,-8.123 J4.26
  Bottom Layer w0.2: JP2.118@-26.023,-18.223 -26.011,-18.211 -26.023,-18.2 v1@-26.023,-16.378
  other v1: -26.037,-16.363
PWM10_L: J4.27 JP2.119 | length 28.1
  Top Layer w0.2: v1(-26.886,-16.383) -26.886,-8.286 v1(-26.875,-8.275) ; v1(-11.58,-8.333) -11.58,-11.102 J4.27
  Bottom Layer w0.2: v1(-26.886,-16.383) -26.857,-16.412 JP2.119@-26.857,-18.257 ; v1(-26.875,-8.275) -11.983,-8.275 -11.816,-8.442 -11.74,-8.365 -11.73,-8.375 v1@-11.72,-8.365
PWM11_H: J4.28 JP2.58 | length 14.3
  Top Layer w0.2: v1(-15.379,-11.275) -14.246,-11.275 J4.28
  Bottom Layer w0.2: JP2.58 -26,-11.865 -25.41,-11.275 v1@-15.235,-11.275
PWM11_L: J4.29 JP2.59 | length 14.2
  Top Layer w0.2: v1(-17.927,-10.183) -17.172,-10.183 -16.637,-10.718 J4.29
  Bottom Layer w0.2: JP2.59 -26.8,-10.642 -26.341,-10.183 v1@-17.853,-10.183
RTC_VBAT: JP1.10
UART_OB_DISABLE: JP1.11
UART_RX_ZYNQ: JP1.71
UART_TX_ZYNQ: JP1.70
USB_OTG_D_N: JP2.65
USB_OTG_D_P: JP2.64
USB_OTG_ID: JP2.66
USB_VBUS: JP2.68
USB_VBUS_EN: JP2.67
VIN: D3.2 J4.1 | length 34.5
  Top Layer w0.2: J4.1 16.383,-17.242 16.918,-16.707 22.488,-16.707 23.2,-15.995 23.2,-12.63 23.887,-11.943 30.673,-11.943 31.208,-11.408 31.208,1.737 31.188,1.757 31.188,1.89 31.068,2.01 D3.2
pads on no net: J1.1 J1.3 JP1. JP2. JP2.4 JP2.71
copper on no net:
  other v1: -30.9,-20.231

## Polygon pours and split planes (outlines as drawn)
GND on Bottom Layer "GND_L02_P000" (solid, pour order 0): -31.877,21.734 -31.86,21.751 32.123,21.751 32.123,-21.249 -31.877,-21.249
GND on Top Layer "GND_L01_P001" (solid, pour order 1): -31.9,21.633 -31.883,21.65 32.1,21.65 32.1,-21.35 -31.9,-21.35

## Silkscreen, mask and mechanical layers (free items; w line width, h text height)
Top Overlay:
  text "VIN" at 29.906,3.43 h1 r90
  text "5V" at 27.47,3.378 h1 r90
Mechanical 1:
  the board outline again, w0.2